# KiCad board SimulTypeUltraFullMag.kicad_pcb (continued)
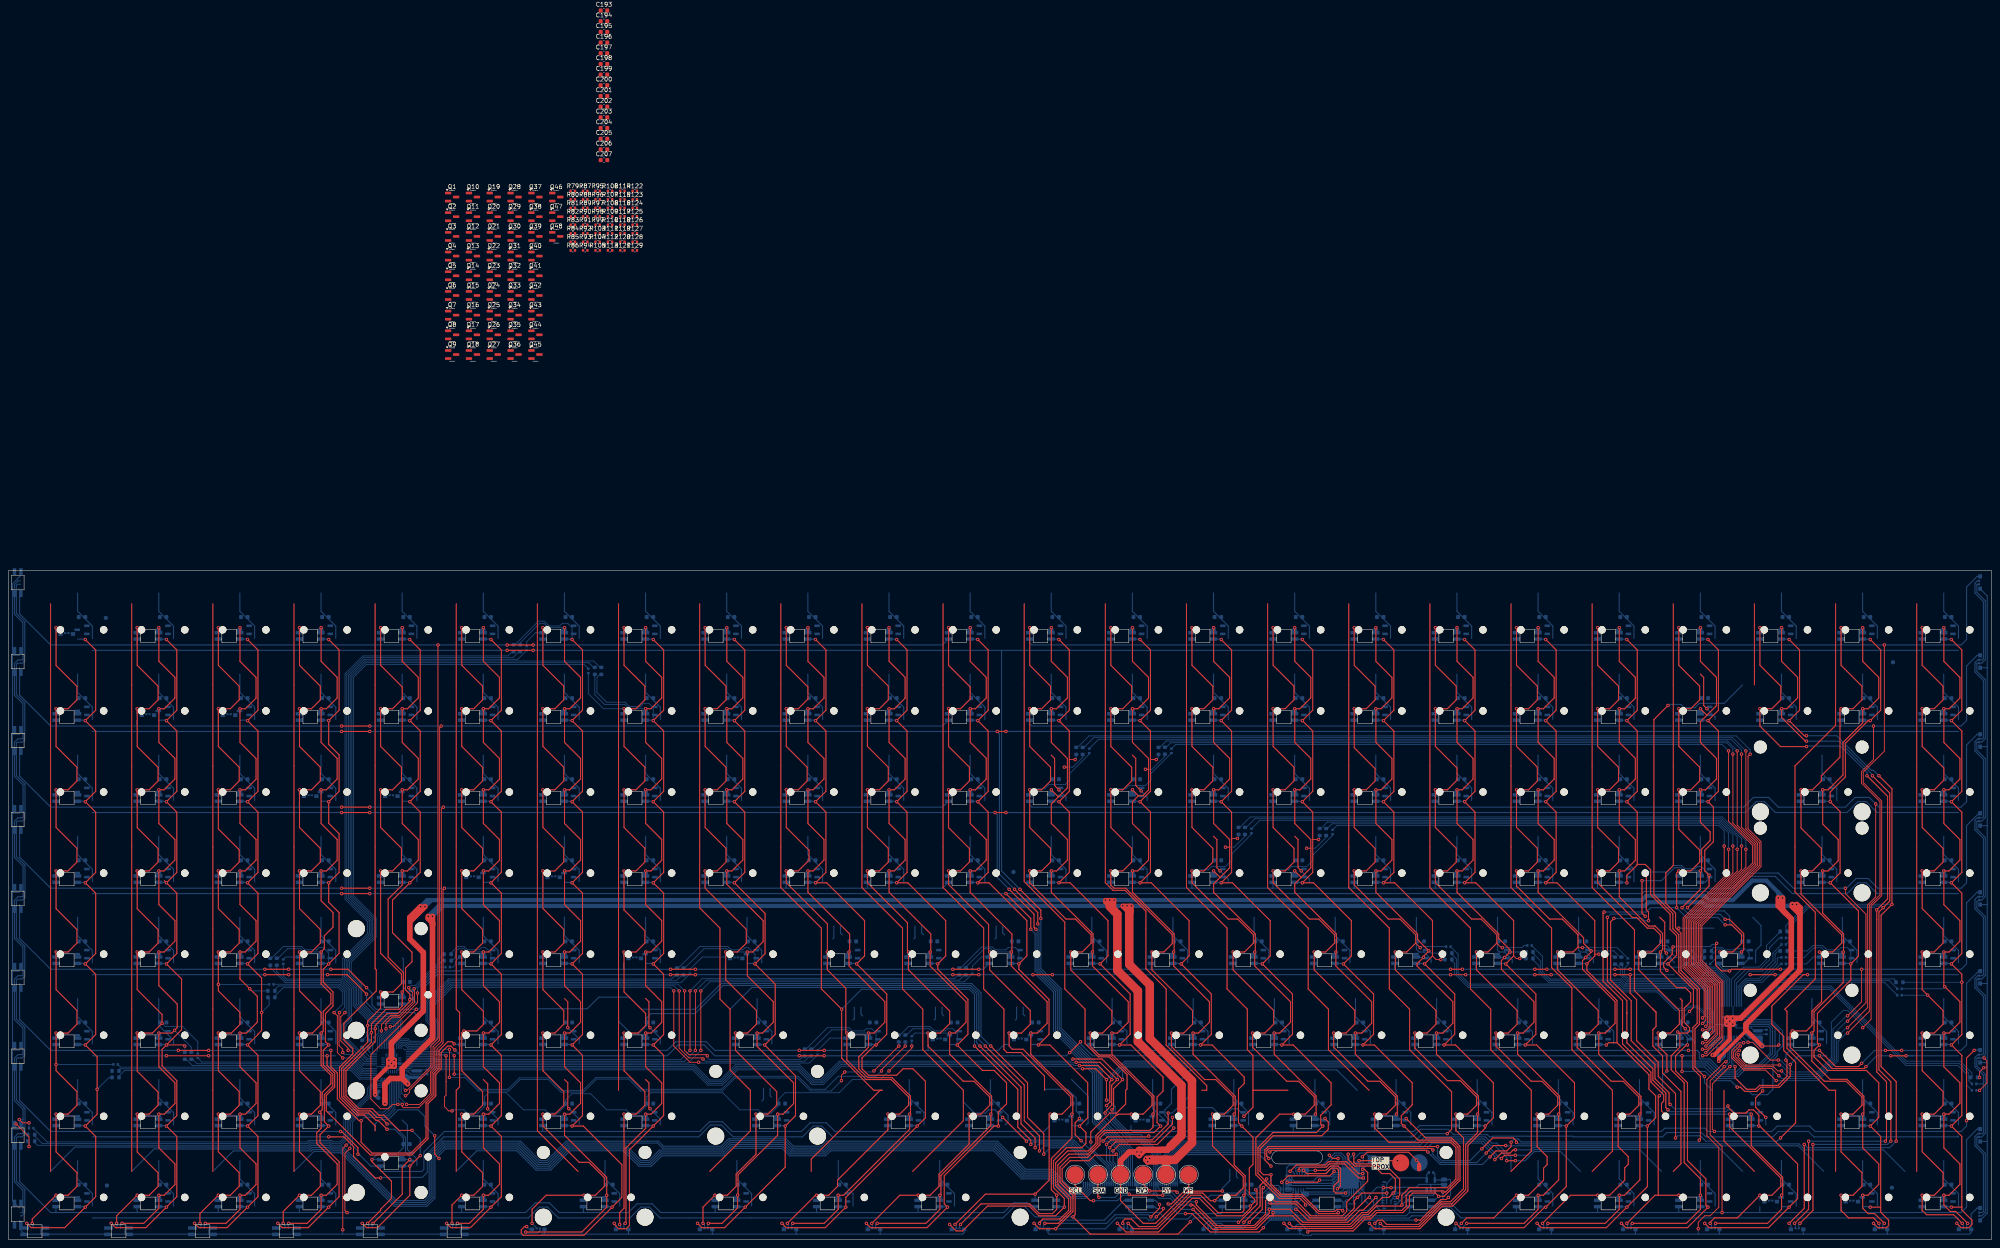
[diagram p0: board, top side]
## Footprints (pads in the part's own frame, mm; a bottom-side part is the same pattern mirrored in y, then rotated) (continued)
RGBSIDELENS
  rect 1x0.88 smd: 1(-1.455,-0.44) 4(1.455,-0.44)
  rect 0.53x0.44 smd: 2(0.39,-0.66) 3(-0.39,-0.66)
SolderJumper-2_P1.3mm_Open_RoundedPad1.0x1.5mm
  custom 1x1.5 smd: 1(-0.65,0) 2(0.65,0)
SOT-23
  rrect 1.475x0.6 smd: 1(-0.938,0.95) 2(-0.938,-0.95) 3(0.938,0)
SOT-23-5
  rrect 1.325x0.6 smd: 1(-1.137,0.95) 2(-1.137,0) 3(-1.137,-0.95) 4(1.137,-0.95) 5(1.137,0.95)
Stabilizer_Cherry_MX_2.00u
  round 3.048 hole 3.048 unplated: (-11.938,6.985) (11.938,6.985)
  round 3.988 hole 3.988 unplated: (-11.938,-8.225) (11.938,-8.225)
Stabilizer_Cherry_MX_6.25u
  round 3.048 hole 3.048 unplated: (-50,6.985) (50,6.985)
  round 3.988 hole 3.988 unplated: (-50,-8.225) (50,-8.225)
SURFACESPRING_1
  round 4 smd: 1(0,0)
  oval 1x2 smd far side: 1(0,-1.016)
SW_GATERON_MAG_ANALOG_1.00u
  round 1.75 hole 1.75 unplated: (-5.08,0) (5.08,0)
  rrect 1.325x0.6 smd far side: 1(1.137,0.95) 2(1.137,-0.95) 3(-1.137,0)
TE_4-1734839-5_1x45-1MP_P0.5mm_Horizontal
  rect 0.3x1.1 smd: 1(-11,1.35) 2(-10.5,1.35) 3(-10,1.35) 4(-9.5,1.35) 5(-9,1.35) 6(-8.5,1.35) 7(-8,1.35) 8(-7.5,1.35) 9(-7,1.35) 10(-6.5,1.35) 11(-6,1.35) 12(-5.5,1.35) 13(-5,1.35) 14(-4.5,1.35) 15(-4,1.35) 16(-3.5,1.35) 17(-3,1.35) 18(-2.5,1.35) 19(-2,1.35) 20(-1.5,1.35) 21(-1,1.35) 22(-0.5,1.35) 23(0,1.35) 24(0.5,1.35) 25(1,1.35) 26(1.5,1.35) 27(2,1.35) 28(2.5,1.35) 29(3,1.35) 30(3.5,1.35) 31(4,1.35) 32(4.5,1.35) 33(5,1.35) 34(5.5,1.35) 35(6,1.35) 36(6.5,1.35) 37(7,1.35) 38(7.5,1.35) 39(8,1.35) 40(8.5,1.35) 41(9,1.35) 42(9.5,1.35) 43(10,1.35) 44(10.5,1.35) 45(11,1.35)
  rect 2.3x3.1 smd: MP(-12.67,-0.35) MP(12.67,-0.35)
TestPoint_Pad_2.0x2.0mm
  rect 2x2 smd: 1(0,0)
TestPoint_Pad_D4.0mm
  round 4 smd: 1(0,0)

## Nets
+3.3V: C201.1 C202.1 C203.1 C206.1 J1.28 J2.2 Q1.2 Q2.2 Q3.2 Q4.2 Q5.2 Q6.2 Q7.2 Q8.2 Q9.2 Q10.2 Q11.2 Q12.2 Q13.2 Q14.2 Q15.2 Q16.2 Q17.2 Q18.2 Q19.2 Q20.2 Q21.2 Q22.2 Q23.2 Q24.2 R1.1 R2.1 R3.1 R4.1 R5.1 R6.1 R7.1 R8.1 R9.1 R10.1 R11.1 R12.1 R13.1 R14.1 R15.1 R16.1 R17.1 R18.1 R19.1 R20.1 R21.1 R22.1 R23.1 R24.1 R51.1 TP2.1 U3.4 U4.7 U5.4
+5V: C193.1 C194.1 C195.1 C196.1 C197.1 C198.1 C199.1 C200.1 J1.29 J1.30 J1.31 TP1.1 U1.14 U1.15 U1.25 U2.8 U2.14 U2.15 U2.25
GND: C1.2 C2.2 C3.2 C4.2 C5.2 C6.2 C7.2 C8.2 C9.2 C10.2 C11.2 C12.2 C13.2 C14.2 C15.2 C16.2 C17.2 C18.2 C19.2 C20.2 C21.2 C22.2 C23.2 C24.2 C25.2 C26.2 C27.2 C28.2 C29.2 C30.2 C31.2 C32.2 C33.2 C34.2 C35.2 C36.2 C37.2 C38.2 C39.2 C40.2 C41.2 C42.2 C43.2 C44.2 C45.2 C46.2 C47.2 C48.2 C49.2 C50.2 C51.2 C52.2 C53.2 C54.2 C55.2 C56.2 C57.2 C58.2 C59.2 C60.2 C61.2 C62.2 C63.2 C64.2 C65.2 C66.2 C67.2 C68.2 C69.2 C70.2 C71.2 C72.2 C73.2 C74.2 C75.2 C76.2 C77.2 C78.2 C79.2 C80.2 C81.2 C82.2 C83.2 C84.2 C85.2 C86.2 C87.2 C88.2 C89.2 C90.2 C91.2 C92.2 C93.2 C94.2 C95.2 C96.2 C97.2 C98.2 C99.2 C100.2 C101.2 C102.2 C103.2 C104.2 C105.2 C106.2 C107.2 C108.2 C109.2 C110.2 C111.2 C112.2 C113.2 C114.2 C115.2 C116.2 C117.2 C118.2 C119.2 C120.2 C121.2 C122.2 C123.2 C124.2 C125.2 C126.2 C127.2 C128.2 C129.2 C130.2 C131.2 C132.2 C133.2 C134.2 C135.2 C136.2 C137.2 C138.2 C139.2 C140.2 C141.2 C142.2 C143.2 C144.2 C145.2 C146.2 C147.2 C148.2 C149.2 C150.2 C151.2 C152.2 C153.2 C154.2 C155.2 C156.2 C157.2 C158.2 C159.2 C160.2 C161.2 C162.2 C163.2 C164.2 C165.2 C166.2 C167.2 C168.2 C169.2 C170.2 C171.2 C172.2 C173.2 C174.2 C175.2 C176.2 C193.2 C194.2 C195.2 C196.2 C197.2 C198.2 C199.2 C200.2 C201.2 C202.2 C203.2 C204.1 C206.2 C207.2 J1.25 J1.26 J1.27 J2.1 J2.MP JP1.2 Q25.2 Q26.2 Q27.2 Q28.2 Q29.2 Q30.2 Q31.2 Q32.2 Q33.2 Q34.2 Q35.2 Q36.2 Q37.2 Q38.2 Q39.2 Q40.2 Q41.2 Q42.2 Q43.2 Q44.2 Q45.2 Q46.2 Q47.2 Q48.2 R49.1 R50.2 SW1.3 SW2.3 SW3.3 SW4.3 SW5.3 SW6.3 SW7.3 SW8.3 SW9.3 SW10.3 SW11.3 SW12.3 SW13.3 SW14.3 SW15.3 SW16.3 SW17.3 SW18.3 SW19.3 SW20.3 SW21.3 SW22.3 SW23.3 SW24.3 SW25.3 SW26.3 SW27.3 SW28.3 SW29.3 SW30.3 SW31.3 SW32.3 SW33.3 SW34.3 SW35.3 SW36.3 SW37.3 SW38.3 SW39.3 SW40.3 SW41.3 SW42.3 SW43.3 SW44.3 SW45.3 SW46.3 SW47.3 SW48.3 SW49.3 SW50.3 SW51.3 SW52.3 SW53.3 SW54.3 SW55.3 SW56.3 SW57.3 SW58.3 SW59.3 SW60.3 SW61.3 SW62.3 SW63.3 SW64.3 SW65.3 SW66.3 SW67.3 SW68.3 SW69.3 SW70.3 SW71.3 SW72.3 SW73.3 SW74.3 SW75.3 SW76.3 SW77.3 SW78.3 SW79.3 SW80.3 SW81.3 SW82.3 SW83.3 SW84.3 SW85.3 SW86.3 SW87.3 SW88.3 SW89.3 SW90.3 SW91.3 SW92.3 SW93.3 SW94.3 SW95.3 SW96.3 SW97.3 SW98.3 SW99.3 SW100.3 SW101.3 SW102.3 SW103.3 SW104.3 SW105.3 SW106.3 SW107.3 SW108.3 SW109.3 SW110.3 SW111.3 SW112.3 SW113.3 SW114.3 SW115.3 SW116.3 SW117.3 SW118.3 SW119.3 SW120.3 SW121.3 SW122.3 SW123.3 SW124.3 SW125.3 SW126.3 SW127.3 SW128.3 SW129.3 SW130.3 SW131.3 SW132.3 SW133.3 SW134.3 SW135.3 SW136.3 SW137.3 SW138.3 SW139.3 SW140.3 SW141.3 SW142.3 SW143.3 SW144.3 SW145.3 SW146.3 SW147.3 SW148.3 SW149.3 SW150.3 SW151.3 SW152.3 SW153.3 SW154.3 SW155.3 SW156.3 SW157.3 SW158.3 SW159.3 SW160.3 SW161.3 SW162.3 SW163.3 SW164.3 SW165.3 SW166.3 SW167.3 SW168.3 SW169.3 SW170.3 SW171.3 SW172.3 SW173.3 SW174.3 SW175.3 SW176.3 TP6.1 U1.8 U1.12 U1.36 U1.55 U1.EP U2.12 U2.36 U2.55 U2.EP U3.2 U4.8 U4.25 U5.2
/AC1: C205.1 J5.8
/AC2: C205.2 J5.10
/APACLK: J1.32
/APANEODAT: J1.33
/B1c: LED1.3 LED27.3 LED53.3 LED78.3 LED103.3 LED128.3 LED151.3 LED175.3 LED197.3 R104.1
/B2c: LED2.3 LED28.3 LED54.3 LED79.3 LED104.3 LED129.3 LED152.3 LED176.3 LED198.3 R105.1
/B3c: LED3.3 LED29.3 LED55.3 LED80.3 LED105.3 LED130.3 LED153.3 LED177.3 LED199.3 R106.1
/B4c: LED4.3 LED30.3 LED56.3 LED81.3 LED106.3 LED131.3 LED154.3 LED178.3 LED200.3 R107.1
/B5c: LED5.3 LED31.3 LED57.3 LED82.3 LED107.3 LED132.3 LED155.3 LED179.3 LED201.3 R108.1
/B6c: LED6.3 LED32.3 LED58.3 LED83.3 LED108.3 LED156.3 LED202.3 R109.1
/B7c: LED7.3 LED33.3 LED59.3 LED84.3 LED109.3 LED133.3 LED157.3 LED180.3 LED203.3 R110.1
/B8c: LED8.3 LED34.3 LED60.3 LED85.3 LED110.3 LED134.3 LED158.3 LED181.3 LED204.3 R111.1
/B9c: LED9.3 LED35.3 LED61.3 LED86.3 LED111.3 LED135.3 LED159.3 LED205.3 R112.1
/B10c: LED10.3 LED36.3 LED62.3 LED87.3 LED112.3 LED136.3 LED160.3 LED182.3 LED206.3 R113.1
/B11c: LED11.3 LED37.3 LED63.3 LED88.3 LED113.3 LED137.3 LED161.3 LED183.3 LED207.3 R114.1
/B12c: LED12.3 LED38.3 LED64.3 LED89.3 LED114.3 LED138.3 LED162.3 LED184.3 LED208.3 R115.1
/B13c: LED13.3 LED39.3 LED65.3 LED90.3 LED115.3 LED139.3 LED163.3 LED185.3 LED209.3 R116.1
/B14c: LED14.3 LED40.3 LED66.3 LED91.3 LED116.3 LED140.3 LED164.3 LED186.3 LED210.3 R117.1
/B15c: LED15.3 LED41.3 LED67.3 LED92.3 LED117.3 LED141.3 LED165.3 LED187.3 LED211.3 R118.1
/B16c: LED16.3 LED42.3 LED68.3 LED93.3 LED118.3 LED142.3 LED166.3 LED188.3 LED212.3 R119.1
/B17c: LED17.3 LED43.3 LED69.3 LED94.3 LED119.3 LED143.3 LED167.3 LED189.3 LED213.3 R120.1
/B18c: LED18.3 LED44.3 LED70.3 LED95.3 LED120.3 LED144.3 LED168.3 LED214.3 R121.1
/B19c: LED19.3 LED45.3 LED71.3 LED96.3 LED121.3 LED145.3 LED169.3 LED190.3 LED215.3 R122.1
/B20c: LED20.3 LED46.3 LED72.3 LED97.3 LED122.3 LED146.3 LED170.3 LED191.3 LED216.3 R123.1
/B21c: LED21.3 LED47.3 LED73.3 LED98.3 LED123.3 LED147.3 LED192.3 LED217.3 R124.1
/B22c: LED22.3 LED48.3 LED74.3 LED99.3 LED124.3 LED171.3 LED193.3 LED218.3 R125.1
/B23c: LED23.3 LED49.3 LED219.3 R126.1
/B24c: LED24.3 LED50.3 LED75.3 LED100.3 LED125.3 LED148.3 LED172.3 LED194.3 LED220.3 R127.1
/B25c: LED25.3 LED51.3 LED76.3 LED101.3 LED126.3 LED149.3 LED173.3 LED195.3 LED221.3 R128.1
/B26c: LED26.3 LED52.3 LED77.3 LED102.3 LED127.3 LED150.3 LED174.3 LED196.3 LED222.3 R129.1
/G1c: LED1.2 LED27.2 LED53.2 LED78.2 LED103.2 LED128.2 LED151.2 LED175.2 LED197.2 R78.1
/G2c: LED2.2 LED28.2 LED54.2 LED79.2 LED104.2 LED129.2 LED152.2 LED176.2 LED198.2 R79.1
/G3c: LED3.2 LED29.2 LED55.2 LED80.2 LED105.2 LED130.2 LED153.2 LED177.2 LED199.2 R80.1
/G4c: LED4.2 LED30.2 LED56.2 LED81.2 LED106.2 LED131.2 LED154.2 LED178.2 LED200.2 R81.1
/G5c: LED5.2 LED31.2 LED57.2 LED82.2 LED107.2 LED132.2 LED155.2 LED179.2 LED201.2 R82.1
/G6c: LED6.2 LED32.2 LED58.2 LED83.2 LED108.2 LED156.2 LED202.2 R83.1
/G7c: LED7.2 LED33.2 LED59.2 LED84.2 LED109.2 LED133.2 LED157.2 LED180.2 LED203.2 R84.1
/G8c: LED8.2 LED34.2 LED60.2 LED85.2 LED110.2 LED134.2 LED158.2 LED181.2 LED204.2 R85.1
/G9c: LED9.2 LED35.2 LED61.2 LED86.2 LED111.2 LED135.2 LED159.2 LED205.2 R86.1
/G10c: LED10.2 LED36.2 LED62.2 LED87.2 LED112.2 LED136.2 LED160.2 LED182.2 LED206.2 R87.1
/G11c: LED11.2 LED37.2 LED63.2 LED88.2 LED113.2 LED137.2 LED161.2 LED183.2 LED207.2 R88.1
/G12c: LED12.2 LED38.2 LED64.2 LED89.2 LED114.2 LED138.2 LED162.2 LED184.2 LED208.2 R89.1
/G13c: LED13.2 LED39.2 LED65.2 LED90.2 LED115.2 LED139.2 LED163.2 LED185.2 LED209.2 R90.1
/G14c: LED14.2 LED40.2 LED66.2 LED91.2 LED116.2 LED140.2 LED164.2 LED186.2 LED210.2 R91.1
/G15c: LED15.2 LED41.2 LED67.2 LED92.2 LED117.2 LED141.2 LED165.2 LED187.2 LED211.2 R92.1
/G16c: LED16.2 LED42.2 LED68.2 LED93.2 LED118.2 LED142.2 LED166.2 LED188.2 LED212.2 R93.1
/G17c: LED17.2 LED43.2 LED69.2 LED94.2 LED119.2 LED143.2 LED167.2 LED189.2 LED213.2 R94.1
/G18c: LED18.2 LED44.2 LED70.2 LED95.2 LED120.2 LED144.2 LED168.2 LED214.2 R95.1
/G19c: LED19.2 LED45.2 LED71.2 LED96.2 LED121.2 LED145.2 LED169.2 LED190.2 LED215.2 R96.1
/G20c: LED20.2 LED46.2 LED72.2 LED97.2 LED122.2 LED146.2 LED170.2 LED191.2 LED216.2 R97.1
/G21c: LED21.2 LED47.2 LED73.2 LED98.2 LED123.2 LED147.2 LED192.2 LED217.2 R98.1
/G22c: LED22.2 LED48.2 LED74.2 LED99.2 LED124.2 LED171.2 LED193.2 LED218.2 R99.1
/G23c: LED23.2 LED49.2 LED219.2 R100.1
/G24c: LED24.2 LED50.2 LED75.2 LED100.2 LED125.2 LED148.2 LED172.2 LED194.2 LED220.2 R101.1
/G25c: LED25.2 LED51.2 LED76.2 LED101.2 LED126.2 LED149.2 LED173.2 LED195.2 LED221.2 R102.1
/G26c: LED26.2 LED52.2 LED77.2 LED102.2 LED127.2 LED150.2 LED174.2 LED196.2 LED222.2 R103.1
/GUARD: J5.9 U4.19
/INT: J1.36 TP7.1 U1.7 U2.7 U4.23
/ISETL: R49.2 U1.13
/ISETR: R50.1 U2.13
/LEDOFF: J1.37 U1.11 U2.11
/PBOT: J4.1 U4.2
/PTOP: J3.1 U4.1
/R1c: LED1.1 LED27.1 LED53.1 LED78.1 LED103.1 LED128.1 LED151.1 LED175.1 LED197.1 R52.1
/R2c: LED2.1 LED28.1 LED54.1 LED79.1 LED104.1 LED129.1 LED152.1 LED176.1 LED198.1 R53.1
/R3c: LED3.1 LED29.1 LED55.1 LED80.1 LED105.1 LED130.1 LED153.1 LED177.1 LED199.1 R54.1
/R4c: LED4.1 LED30.1 LED56.1 LED81.1 LED106.1 LED131.1 LED154.1 LED178.1 LED200.1 R55.1
/R5c: LED5.1 LED31.1 LED57.1 LED82.1 LED107.1 LED132.1 LED155.1 LED179.1 LED201.1 R56.1
/R6c: LED6.1 LED32.1 LED58.1 LED83.1 LED108.1 LED156.1 LED202.1 R57.1
/R7c: LED7.1 LED33.1 LED59.1 LED84.1 LED109.1 LED133.1 LED157.1 LED180.1 LED203.1 R58.1
/R8c: LED8.1 LED34.1 LED60.1 LED85.1 LED110.1 LED134.1 LED158.1 LED181.1 LED204.1 R59.1
/R9c: LED9.1 LED35.1 LED61.1 LED86.1 LED111.1 LED135.1 LED159.1 LED205.1 R60.1
/R10c: LED10.1 LED36.1 LED62.1 LED87.1 LED112.1 LED136.1 LED160.1 LED182.1 LED206.1 R61.1
/R11c: LED11.1 LED37.1 LED63.1 LED88.1 LED113.1 LED137.1 LED161.1 LED183.1 LED207.1 R62.1
/R12c: LED12.1 LED38.1 LED64.1 LED89.1 LED114.1 LED138.1 LED162.1 LED184.1 LED208.1 R63.1
/R13c: LED13.1 LED39.1 LED65.1 LED90.1 LED115.1 LED139.1 LED163.1 LED185.1 LED209.1 R64.1
/R14c: LED14.1 LED40.1 LED66.1 LED91.1 LED116.1 LED140.1 LED164.1 LED186.1 LED210.1 R65.1
/R15c: LED15.1 LED41.1 LED67.1 LED92.1 LED117.1 LED141.1 LED165.1 LED187.1 LED211.1 R66.1
/R16c: LED16.1 LED42.1 LED68.1 LED93.1 LED118.1 LED142.1 LED166.1 LED188.1 LED212.1 R67.1
/R17c: LED17.1 LED43.1 LED69.1 LED94.1 LED119.1 LED143.1 LED167.1 LED189.1 LED213.1 R68.1
/R18c: LED18.1 LED44.1 LED70.1 LED95.1 LED120.1 LED144.1 LED168.1 LED214.1 R69.1
/R19c: LED19.1 LED45.1 LED71.1 LED96.1 LED121.1 LED145.1 LED169.1 LED190.1 LED215.1 R70.1
/R20c: LED20.1 LED46.1 LED72.1 LED97.1 LED122.1 LED146.1 LED170.1 LED191.1 LED216.1 R71.1
/R21c: LED21.1 LED47.1 LED73.1 LED98.1 LED123.1 LED147.1 LED192.1 LED217.1 R72.1
/R22c: LED22.1 LED48.1 LED74.1 LED99.1 LED124.1 LED171.1 LED193.1 LED218.1 R73.1
/R23c: LED23.1 LED49.1 LED219.1 R74.1
/R24c: LED24.1 LED50.1 LED75.1 LED100.1 LED125.1 LED148.1 LED172.1 LED194.1 LED220.1 R75.1
/R25c: LED25.1 LED51.1 LED76.1 LED101.1 LED126.1 LED149.1 LED173.1 LED195.1 LED221.1 R76.1
/R26c: LED26.1 LED52.1 LED77.1 LED102.1 LED127.1 LED150.1 LED174.1 LED196.1 LED222.1 R77.1
/SCL: J1.35 J2.4 TP3.1 U1.10 U2.10 U3.1 U4.22 U5.1
/SDA: J1.34 J2.3 TP4.1 U1.9 U2.9 U3.3 U4.21 U5.3
/SHIELD: J5.1 J5.17 U4.20
/SLDL1: J5.16 U4.13
/SLDL2: J5.15 U4.12
/SLDL3: J5.14 U4.11
/SLDL4: J5.13 U4.10
/SLDL5: J5.12 U4.9
/SLDR1: J5.2 U4.14
/SLDR2: J5.3 U4.15
/SLDR3: J5.4 U4.16
/SLDR4: J5.5 U4.17
/SLDR5: J5.6 U4.18
/TOPL: J5.7 U4.3
/TOPR: J5.11 U4.4
/WP: JP1.1 R51.2 TP5.1 U3.5 U5.5
B1: R104.2 U1.28
B2: R105.2 U1.31
B3: R106.2 U1.34
B4: R107.2 U1.38
B5: R108.2 U1.41
B6: R109.2 U1.44
B7: R110.2 U1.47
B8: R111.2 U1.50
B9: R112.2 U1.53
B10: R113.2 U1.57
B11: R114.2 U1.60
B12: R115.2 U1.3
B13: R116.2 U1.6
B14: R117.2 U2.28
B15: R118.2 U2.31
B16: R119.2 U2.34
B17: R120.2 U2.38
B18: R121.2 U2.41
B19: R122.2 U2.44
B20: R123.2 U2.47
B21: R124.2 U2.50
B22: R125.2 U2.53
B23: R126.2 U2.57
B24: R127.2 U2.60
B25: R128.2 U2.3
B26: R129.2 U2.6
COL1: J1.45 R48.2
COL2: J1.44 R47.2
COL3: J1.43 R46.2
COL4: J1.42 R45.2
COL5: J1.41 R44.2
COL6: J1.40 R43.2
COL7: J1.39 R42.2
COL8: J1.38 R41.2
COL9: J1.16 R40.2
COL10: J1.15 R39.2
COL11: J1.14 R38.2
COL12: J1.13 R37.2
COL13: J1.12 R36.2
COL14: J1.11 R35.2
COL15: J1.10 R34.2
COL16: J1.9 R33.2
COL17: J1.8 R32.2
COL18: J1.7 R31.2
COL19: J1.6 R30.2
COL20: J1.5 R29.2
COL21: J1.4 R28.2
COL22: J1.3 R27.2
COL23: J1.2 R26.2
COL24: J1.1 R25.2
G1: R78.2 U1.27
G2: R79.2 U1.30
G3: R80.2 U1.33
G4: R81.2 U1.37
G5: R82.2 U1.40
G6: R83.2 U1.43
G7: R84.2 U1.46
G8: R85.2 U1.49
G9: R86.2 U1.52
G10: R87.2 U1.56
G11: R88.2 U1.59
G12: R89.2 U1.2
G13: R90.2 U1.5
G14: R91.2 U2.27
G15: R92.2 U2.30
G16: R93.2 U2.33
G17: R94.2 U2.37
G18: R95.2 U2.40
G19: R96.2 U2.43
G20: R97.2 U2.46
G21: R98.2 U2.49
G22: R99.2 U2.52
G23: R100.2 U2.56
G24: R101.2 U2.59
G25: R102.2 U2.2
G26: R103.2 U2.5
R1: R52.2 U1.26
R2: R53.2 U1.29
R3: R54.2 U1.32
R4: R55.2 U1.35
R5: R56.2 U1.39
R6: R57.2 U1.42
R7: R58.2 U1.45
R8: R59.2 U1.48
R9: R60.2 U1.51
R10: R61.2 U1.54
R11: R62.2 U1.58
R12: R63.2 U1.1
R13: R64.2 U1.4
R14: R65.2 U2.26
R15: R66.2 U2.29
R16: R67.2 U2.32
R17: R68.2 U2.35
R18: R69.2 U2.39
R19: R70.2 U2.42
R20: R71.2 U2.45
R21: R72.2 U2.48
R22: R73.2 U2.51
R23: R74.2 U2.54
R24: R75.2 U2.58
R25: R76.2 U2.1
R26: R77.2 U2.4
ROW1: J1.24 SW1.2 SW2.2 SW3.2 SW4.2 SW5.2 SW6.2 SW7.2 SW8.2 SW9.2 SW10.2 SW11.2 SW12.2 SW13.2 SW14.2 SW15.2 SW16.2 SW17.2 SW18.2 SW19.2 SW20.2 SW21.2 SW22.2 SW23.2 SW24.2
ROW2: J1.23 SW25.2 SW26.2 SW27.2 SW28.2 SW29.2 SW30.2 SW31.2 SW32.2 SW33.2 SW34.2 SW35.2 SW36.2 SW37.2 SW38.2 SW39.2 SW40.2 SW41.2 SW42.2 SW43.2 SW44.2 SW45.2 SW46.2 SW47.2 SW48.2
ROW3: J1.22 SW49.2 SW50.2 SW51.2 SW52.2 SW53.2 SW54.2 SW55.2 SW56.2 SW57.2 SW58.2 SW59.2 SW60.2 SW61.2 SW62.2 SW63.2 SW64.2 SW65.2 SW66.2 SW67.2 SW68.2 SW69.2 SW70.2 SW71.2
ROW4: J1.21 SW72.2 SW73.2 SW74.2 SW75.2 SW76.2 SW77.2 SW78.2 SW79.2 SW80.2 SW81.2 SW82.2 SW83.2 SW84.2 SW85.2 SW86.2 SW87.2 SW88.2 SW89.2 SW90.2 SW91.2 SW92.2 SW93.2 SW94.2
ROW5: J1.20 SW95.2 SW96.2 SW97.2 SW98.2 SW99.2 SW100.2 SW101.2 SW102.2 SW103.2 SW104.2 SW105.2 SW106.2 SW107.2 SW108.2 SW109.2 SW110.2 SW111.2 SW112.2 SW113.2 SW114.2 SW115.2 SW116.2 SW117.2
ROW6: J1.19 SW118.2 SW119.2 SW120.2 SW121.2 SW122.2 SW123.2 SW124.2 SW125.2 SW126.2 SW127.2 SW128.2 SW129.2 SW130.2 SW131.2 SW132.2 SW133.2 SW134.2 SW135.2 SW136.2 SW137.2 SW138.2
ROW7: J1.18 SW139.2 SW140.2 SW141.2 SW142.2 SW143.2 SW144.2 SW145.2 SW146.2 SW147.2 SW148.2 SW149.2 SW150.2 SW151.2 SW152.2 SW153.2 SW154.2 SW155.2 SW156.2 SW157.2 SW158.2 SW159.2 SW160.2
ROW8: J1.17 SW161.2 SW162.2 SW163.2 SW164.2 SW165.2 SW166.2 SW167.2 SW168.2 SW169.2 SW170.2 SW171.2 SW172.2 SW173.2 SW174.2 SW175.2 SW176.2
SW1_L: LED1.4 LED2.4 LED3.4 LED4.4 LED5.4 LED6.4 LED7.4 LED8.4 LED9.4 LED10.4 LED11.4 LED12.4 LED13.4 U1.16
SW1_R: LED14.4 LED15.4 LED16.4 LED17.4 LED18.4 LED19.4 LED20.4 LED21.4 LED22.4 LED23.4 LED24.4 LED25.4 LED26.4 U2.16
SW2_L: LED27.4 LED28.4 LED29.4 LED30.4 LED31.4 LED32.4 LED33.4 LED34.4 LED35.4 LED36.4 LED37.4 LED38.4 LED39.4 U1.17
SW2_R: LED40.4 LED41.4 LED42.4 LED43.4 LED44.4 LED45.4 LED46.4 LED47.4 LED48.4 LED49.4 LED50.4 LED51.4 LED52.4 U2.17
SW3_L: LED53.4 LED54.4 LED55.4 LED56.4 LED57.4 LED58.4 LED59.4 LED60.4 LED61.4 LED62.4 LED63.4 LED64.4 LED65.4 U1.18
SW3_R: LED66.4 LED67.4 LED68.4 LED69.4 LED70.4 LED71.4 LED72.4 LED73.4 LED74.4 LED75.4 LED76.4 LED77.4 U2.18
SW4_L: LED78.4 LED79.4 LED80.4 LED81.4 LED82.4 LED83.4 LED84.4 LED85.4 LED86.4 LED87.4 LED88.4 LED89.4 LED90.4 U1.19
SW4_R: LED91.4 LED92.4 LED93.4 LED94.4 LED95.4 LED96.4 LED97.4 LED98.4 LED99.4 LED100.4 LED101.4 LED102.4 U2.19
SW5_L: LED103.4 LED104.4 LED105.4 LED106.4 LED107.4 LED108.4 LED109.4 LED110.4 LED111.4 LED112.4 LED113.4 LED114.4 LED115.4 U1.20
SW5_R: LED116.4 LED117.4 LED118.4 LED119.4 LED120.4 LED121.4 LED122.4 LED123.4 LED124.4 LED125.4 LED126.4 LED127.4 U2.20
SW6_L: LED128.4 LED129.4 LED130.4 LED131.4 LED132.4 LED133.4 LED134.4 LED135.4 LED136.4 LED137.4 LED138.4 LED139.4 U1.21
SW6_R: LED140.4 LED141.4 LED142.4 LED143.4 LED144.4 LED145.4 LED146.4 LED147.4 LED148.4 LED149.4 LED150.4 U2.21
SW7_L: LED151.4 LED152.4 LED153.4 LED154.4 LED155.4 LED156.4 LED157.4 LED158.4 LED159.4 LED160.4 LED161.4 LED162.4 LED163.4 U1.22
SW7_R: LED164.4 LED165.4 LED166.4 LED167.4 LED168.4 LED169.4 LED170.4 LED171.4 LED172.4 LED173.4 LED174.4 U2.22
SW8_L: LED175.4 LED176.4 LED177.4 LED178.4 LED179.4 LED180.4 LED181.4 LED182.4 LED183.4 LED184.4 LED185.4 U1.23
SW8_R: LED186.4 LED187.4 LED188.4 LED189.4 LED190.4 LED191.4 LED192.4 LED193.4 LED194.4 LED195.4 LED196.4 U2.23
SW9_L: LED197.4 LED198.4 LED199.4 LED200.4 LED201.4 LED202.4 LED203.4 LED204.4 LED205.4 LED206.4 LED207.4 LED208.4 LED209.4 U1.24
SW9_R: LED210.4 LED211.4 LED212.4 LED213.4 LED214.4 LED215.4 LED216.4 LED217.4 LED218.4 LED219.4 LED220.4 LED221.4 LED222.4 U2.24
Net-(Q1-D): C1.1 C25.1 C49.1 C72.1 C95.1 C118.1 C139.1 C161.1 Q1.3 SW1.1 SW25.1 SW49.1 SW72.1 SW95.1 SW118.1 SW139.1 SW161.1
Net-(Q1-G): Q1.1 Q25.3 R1.2
Net-(Q2-D): C2.1 C26.1 C50.1 C73.1 C96.1 C119.1 C140.1 C162.1 Q2.3 SW2.1 SW26.1 SW50.1 SW73.1 SW96.1 SW119.1 SW140.1 SW162.1
Net-(Q2-G): Q2.1 Q26.3 R2.2
Net-(Q3-D): C3.1 C27.1 C51.1 C74.1 C97.1 C120.1 C141.1 C163.1 Q3.3 SW3.1 SW27.1 SW51.1 SW74.1 SW97.1 SW120.1 SW141.1 SW163.1
Net-(Q4-D): C4.1 C28.1 C52.1 C75.1 C98.1 C121.1 C142.1 C164.1 Q4.3 SW4.1 SW28.1 SW52.1 SW75.1 SW98.1 SW121.1 SW142.1 SW164.1
Net-(Q5-D): C5.1 C29.1 C53.1 C76.1 C99.1 C143.1 Q5.3 SW5.1 SW29.1 SW53.1 SW76.1 SW99.1 SW143.1
Net-(Q6-D): C6.1 C30.1 C54.1 C77.1 C100.1 C122.1 C144.1 C165.1 Q6.3 SW6.1 SW30.1 SW54.1 SW77.1 SW100.1 SW122.1 SW144.1 SW165.1
Net-(Q7-D): C7.1 C31.1 C55.1 C78.1 C101.1 C123.1 C145.1 C166.1 Q7.3 SW7.1 SW31.1 SW55.1 SW78.1 SW101.1 SW123.1 SW145.1 SW166.1
Net-(Q8-D): C8.1 C32.1 C56.1 C79.1 C102.1 C124.1 C146.1 Q8.3 SW8.1 SW32.1 SW56.1 SW79.1 SW102.1 SW124.1 SW146.1
Net-(Q9-D): C9.1 C33.1 C57.1 C80.1 C103.1 C125.1 C147.1 C167.1 Q9.3 SW9.1 SW33.1 SW57.1 SW80.1 SW103.1 SW125.1 SW147.1 SW167.1
Net-(Q10-D): C10.1 C34.1 C58.1 C81.1 C104.1 C126.1 C148.1 C168.1 Q10.3 SW10.1 SW34.1 SW58.1 SW81.1 SW104.1 SW126.1 SW148.1 SW168.1
Net-(Q10-G): Q10.1 Q34.3 R10.2
Net-(Q11-D): C11.1 C35.1 C59.1 C82.1 C105.1 C127.1 C149.1 C169.1 Q11.3 SW11.1 SW35.1 SW59.1 SW82.1 SW105.1 SW127.1 SW149.1 SW169.1
Net-(Q11-G): Q11.1 Q35.3 R11.2
Net-(Q12-D): C12.1 C36.1 C60.1 C83.1 C106.1 C128.1 C150.1 Q12.3 SW12.1 SW36.1 SW60.1 SW83.1 SW106.1 SW128.1 SW150.1
Net-(Q12-G): Q12.1 Q36.3 R12.2
Net-(Q13-D): C13.1 C37.1 C61.1 C84.1 C107.1 C129.1 C151.1 Q13.3 SW13.1 SW37.1 SW61.1 SW84.1 SW107.1 SW129.1 SW151.1
Net-(Q13-G): Q13.1 Q37.3 R13.2
Net-(Q14-D): C14.1 C38.1 C62.1 C85.1 C108.1 C130.1 C152.1 C170.1 Q14.3 SW14.1 SW38.1 SW62.1 SW85.1 SW108.1 SW130.1 SW152.1 SW170.1
Net-(Q14-G): Q14.1 Q38.3 R14.2
Net-(Q15-D): C15.1 C39.1 C63.1 C86.1 C109.1 C131.1 C153.1 Q15.3 SW15.1 SW39.1 SW63.1 SW86.1 SW109.1 SW131.1 SW153.1
Net-(Q15-G): Q15.1 Q39.3 R15.2
Net-(Q16-D): C16.1 C40.1 C64.1 C87.1 C110.1 C132.1 C154.1 Q16.3 SW16.1 SW40.1 SW64.1 SW87.1 SW110.1 SW132.1 SW154.1
Net-(Q16-G): Q16.1 Q40.3 R16.2
Net-(Q17-D): C17.1 C41.1 C65.1 C88.1 C111.1 C133.1 C155.1 Q17.3 SW17.1 SW41.1 SW65.1 SW88.1 SW111.1 SW133.1 SW155.1
Net-(Q17-G): Q17.1 Q41.3 R17.2
Net-(Q18-D): C18.1 C42.1 C66.1 C89.1 C112.1 C134.1 C156.1 C171.1 Q18.3 SW18.1 SW42.1 SW66.1 SW89.1 SW112.1 SW134.1 SW156.1 SW171.1
Net-(Q18-G): Q18.1 Q42.3 R18.2
Net-(Q19-D): C19.1 C43.1 C67.1 C90.1 C113.1 C135.1 C157.1 C172.1 Q19.3 SW19.1 SW43.1 SW67.1 SW90.1 SW113.1 SW135.1 SW157.1 SW172.1
Net-(Q19-G): Q19.1 Q43.3 R19.2
Net-(Q20-D): C20.1 C44.1 C68.1 C91.1 C114.1 C136.1 C173.1 Q20.3 SW20.1 SW44.1 SW68.1 SW91.1 SW114.1 SW136.1 SW173.1
Net-(Q20-G): Q20.1 Q44.3 R20.2
Net-(Q21-D): C21.1 C45.1 C69.1 C92.1 C115.1 C158.1 C174.1 Q21.3 SW21.1 SW45.1 SW69.1 SW92.1 SW115.1 SW158.1 SW174.1
Net-(Q21-G): Q21.1 Q45.3 R21.2
Net-(Q22-D): C22.1 C46.1 Q22.3 SW22.1 SW46.1
Net-(Q22-G): Q22.1 Q46.3 R22.2
Net-(Q23-D): C23.1 C47.1 C70.1 C93.1 C116.1 C137.1 C159.1 C175.1 Q23.3 SW23.1 SW47.1 SW70.1 SW93.1 SW116.1 SW137.1 SW159.1 SW175.1
Net-(Q23-G): Q23.1 Q47.3 R23.2
Net-(Q24-D): C24.1 C48.1 C71.1 C94.1 C117.1 C138.1 C160.1 C176.1 Q24.3 SW24.1 SW48.1 SW71.1 SW94.1 SW117.1 SW138.1 SW160.1 SW176.1
Net-(Q24-G): Q24.1 Q48.3 R24.2
Net-(Q25-B): Q25.1 R25.1
Net-(Q26-B): Q26.1 R26.1
Net-(Q27-B): Q27.1 R27.1
Net-(Q27-C): Q3.1 Q27.3 R3.2
Net-(Q28-B): Q28.1 R28.1
Net-(Q28-C): Q4.1 Q28.3 R4.2
Net-(Q29-B): Q29.1 R29.1
Net-(Q29-C): Q5.1 Q29.3 R5.2
Net-(Q30-B): Q30.1 R30.1
Net-(Q30-C): Q6.1 Q30.3 R6.2
Net-(Q31-B): Q31.1 R31.1
Net-(Q31-C): Q7.1 Q31.3 R7.2
Net-(Q32-B): Q32.1 R32.1
Net-(Q32-C): Q8.1 Q32.3 R8.2
Net-(Q33-B): Q33.1 R33.1
Net-(Q33-C): Q9.1 Q33.3 R9.2
Net-(Q34-B): Q34.1 R34.1
Net-(Q35-B): Q35.1 R35.1
Net-(Q36-B): Q36.1 R36.1
Net-(Q37-B): Q37.1 R37.1
Net-(Q38-B): Q38.1 R38.1
Net-(Q39-B): Q39.1 R39.1
Net-(Q40-B): Q40.1 R40.1
Net-(Q41-B): Q41.1 R41.1
Net-(Q42-B): Q42.1 R42.1
Net-(Q43-B): Q43.1 R43.1
Net-(Q44-B): Q44.1 R44.1
Net-(Q45-B): Q45.1 R45.1
Net-(Q46-B): Q46.1 R46.1
Net-(Q47-B): Q47.1 R47.1
Net-(Q48-B): Q48.1 R48.1
Net-(U4-CMOD): C207.1 U4.5
Net-(U4-VCC): C204.2 U4.6

Pads without a net: J1 MP; J5 MP; U4 24

## Via types
v1: diameter 0.8, hole 0.4, Top to Bottom, 1056 vias

## Routing (per net, layer and track width the routed paths; a pad name or vN(x,y) marks a point on that pad's centre or on a via; arc(x,y) is an arc through that point)
+3.3V: length 99.5
  Top w0.25: v1(296.15,8.62) 296.41,8.36 302.25,8.36 305.55,5.06 313.68,5.06 315.96,7.35 315.96,9.12 v1(316.73,9.89) 317.74,10.9 v1(323.59,10.9) ; v1(274.37,11.1) 274.06,11.41 v1(267.96,11.41) 266.43,12.94 TP2.1
  Bottom w0.25: 297.43,9.61 297.43,11.13 297.42,11.14 295.88,11.14 295.39,10.65 295.39,9.89 ; 323.59,8.39 v1(323.59,10.9) 323.59,13.2 324.88,14.48 332.98,14.48 332.98,15.24 333.49,15.74 ; v1(316.73,9.89) 315.8,9.89 ; 315.8,9.89 315.8,8.79 316.22,8.38 314.69,8.38 ; 315.8,9.89 315.8,12.52 ; 295.39,9.89 291.58,9.89 291.07,10.39 291.07,10.4 290.32,11.16 289.55,11.16 288.79,10.39 282.18,10.39 281.67,9.89 275.59,9.89 v1(274.37,11.1) ; 295.39,9.89 295.39,9.38 v1(296.15,8.62) 296.16,8.61 297.43,8.61 ; v1(267.96,11.41) 266.66,11.41 265.89,12.18 J1.28
+5V: length 578.2
  Top w0.2: v1(411.72,45.45) 415.39,45.45 v1(415.65,45.71)
  Top w0.8: v1(401.56,41.89) 401.56,42.65 407.91,49 407.91,49.26
  Top w1: v1(411.72,45.45) 407.91,49.26 ; v1(263.64,78.39) 263.64,77.2 263.13,76.69 261.61,78.21 v1(261.61,78.39) v1(263.64,78.39)
  Top w1.3: 267.22,19.05 268.72,19.05 ; 268.72,19.05 269.65,19.05 269.99,18.72 269.53,18.26 v1(267.46,18.26) ; 268.72,19.05 268.26,19.05 v1(267.46,18.26) ; 92.44,37.83 92.44,40.19 99.56,47.3 99.56,73.89 ; 92.44,37.83 89.65,37.83 88.38,36.56 v1(88.38,31.98) ; 92.44,37.83 v1(93.71,36.56) ; 420.61,76.43 420.61,63.23 407.91,50.53 407.91,49.26 ; 420.61,76.43 418.83,78.21 v1(418.83,78.72) ; 420.61,76.43 420.61,77.96 v1(419.85,78.72) ; 99.56,73.89 99.56,74.4 98.54,75.42 v1(98.54,75.93) ; 99.56,73.89 v1(99.56,75.93) ; 267,18.71 v1(267.46,18.26)
  Top w2: 271.77,18.72 TP1.1 ; 271.77,18.72 269.99,18.72 ; 271.77,18.72 273.87,18.72 277.86,22.71 277.86,37.32 267.96,47.22 267.96,59.81 263.13,64.63 263.13,77.88
  Bottom w0.2: 88.6,34.98 88.39,34.78 88.39,35.85 89.1,36.56 89.1,37.93 ; 407.55,51.29 413.7,51.29 415.79,49.2 415.79,45.84 v1(415.65,45.71) ; 403.3,47.84 403.3,45.4 402.84,44.94
  Bottom w0.25: 266.89,14.21 267.39,14.71 ; 267.39,14.71 267.39,14.77 267.2,14.97 ; 267.39,14.71 J1.31 J1.30 J1.29 266.39,14.42 266.69,14.71
  Bottom w0.8: 402.84,44.94 402.84,43.17 v1(401.56,41.89) ; 411.47,47.47 411.47,45.45 ; 93.35,38.58 93.87,38.07 96.76,38.07 ; 407.55,48.49 407.92,48.49 408.94,47.47 409.94,47.47 409.94,47.22
  Bottom w0.9: 409.94,47.47 411.47,47.47
  Bottom w1: 418.07,78.39 419.52,78.39 v1(419.85,78.72) v1(418.83,78.72) 418.5,78.39 418.07,78.39 ; 418.07,78.39 398.51,78.39 397.67,79.23 385.05,79.23 384.21,78.39 v1(263.64,78.39) v1(262.62,78.39) v1(261.61,78.39) 102.02,78.39 ; 410.71,46.46 v1(411.72,45.45) ; 102.02,78.39 101,78.39 v1(98.54,75.93) v1(99.56,75.93) 102.02,78.39 ; v1(93.71,36.56) 93.71,37.91 93.87,38.07 ; 88.39,34.78 88.39,33.25
  Bottom w1.2: J1.30 266.89,14.21
  Bottom w1.3: 409.94,47.22 v1(411.72,45.45) ; 88.39,33.25 88.38,33.24 v1(88.38,31.98)
  vias: v1(267,19.07) v1(267.94,19.05)
GND: length 779.1
  Top w0.25: v1(319.52,9.89) 319.27,9.89 313.93,4.55 305.04,4.55 302.51,7.08 v1(302.26,7.08) ; v1(322.82,12.17) v1(324.6,12.17) ; TP6.1 261.1,9.12 266.43,3.79 269.32,3.79 276.88,11.35 284.92,11.35 v1(284.98,11.41)